# Altium PCB BBB_ADC7_inputs_with_mux_Ver1 Rev1.PcbDoc (part 1 of 2)
Units mm, origin at the board's own origin, x right, y up, seen from the top; angles counter-clockwise.
Board outline 219.96 x 100 mm, 2 copper layers (TopLayer, BottomLayer), stack 1.571 mm thick; 181 components, 118 nets, 709 pads, 266 vias.
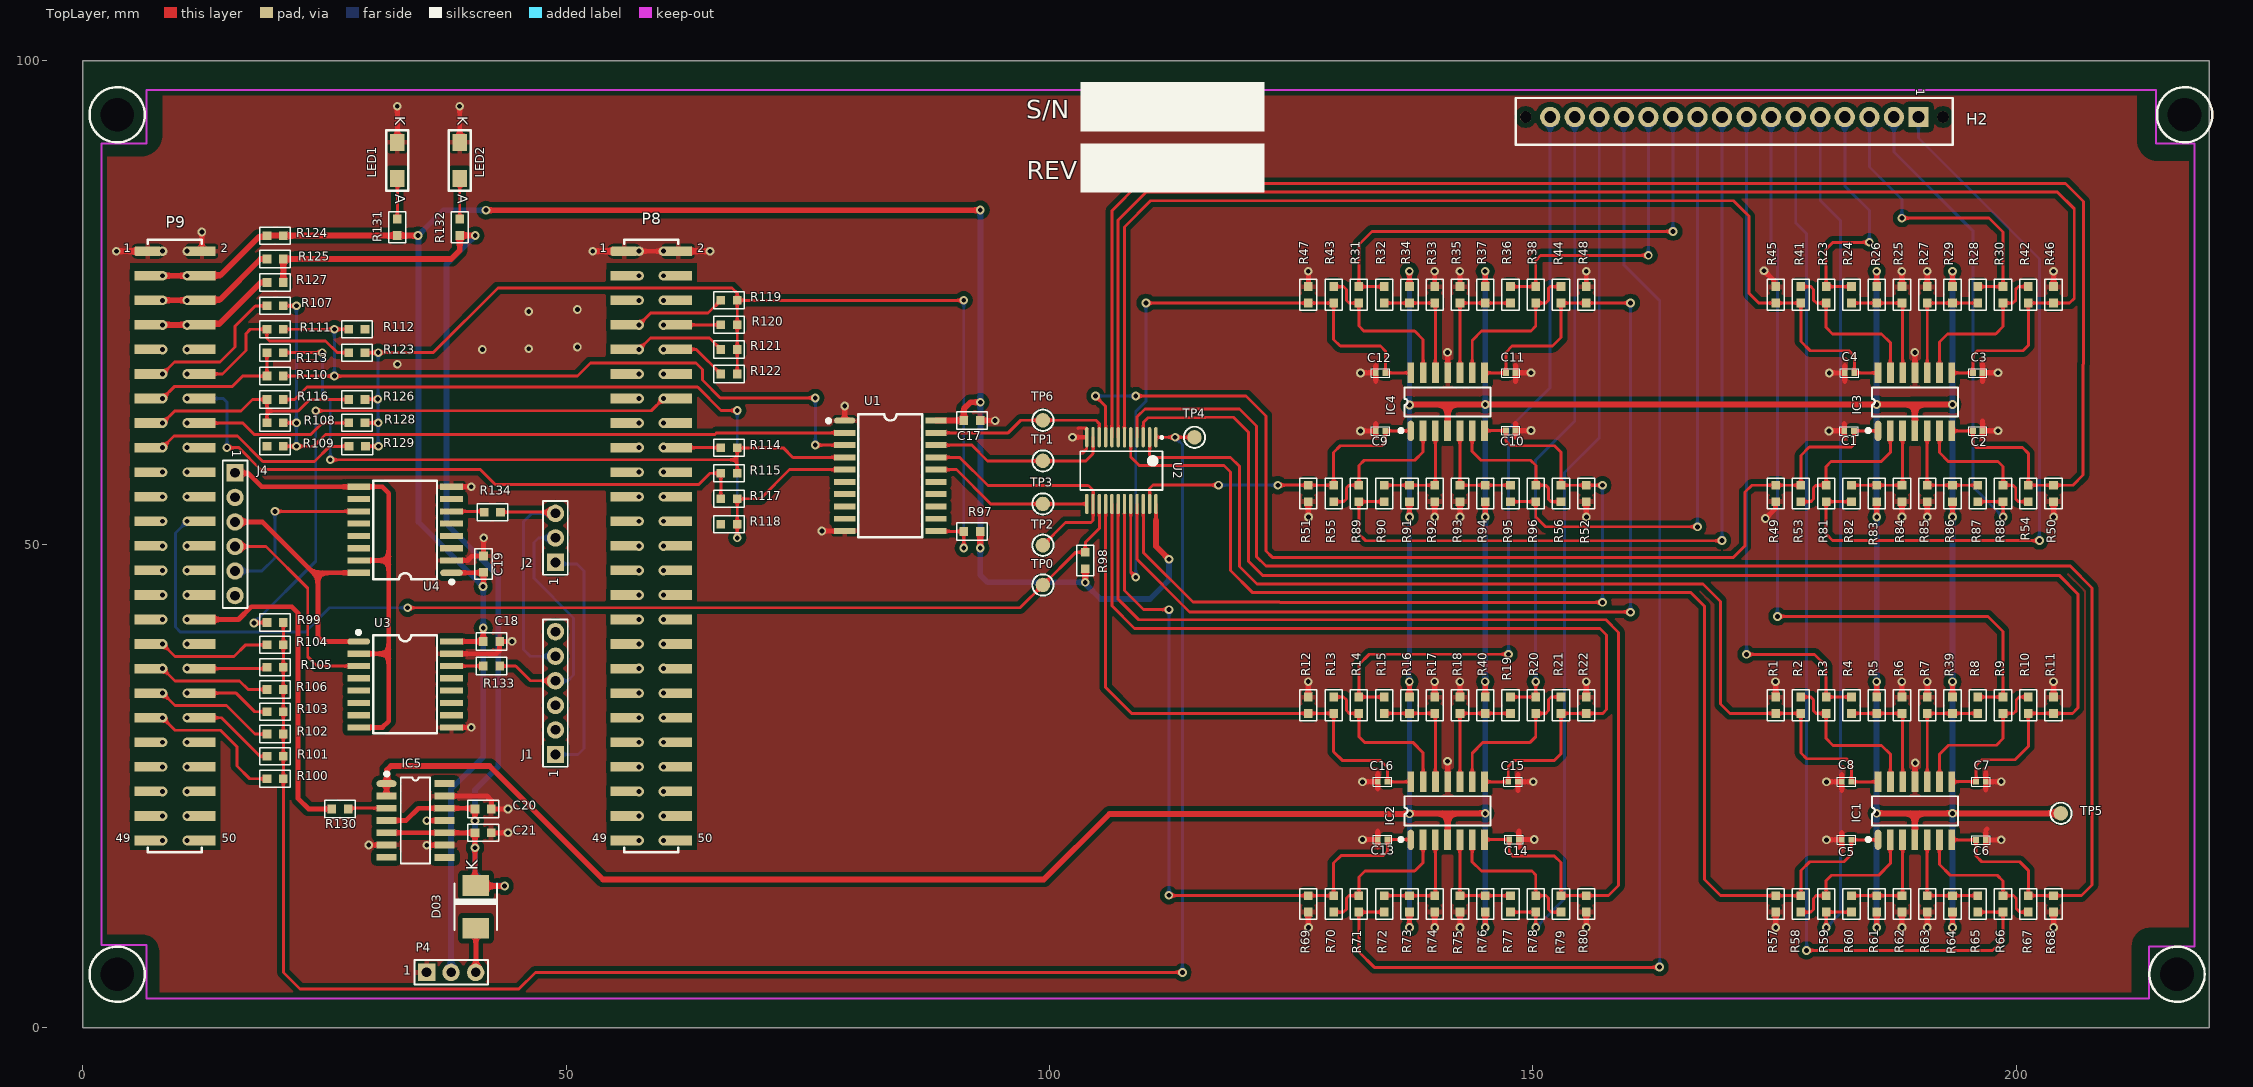
[diagram p0: TopLayer view]
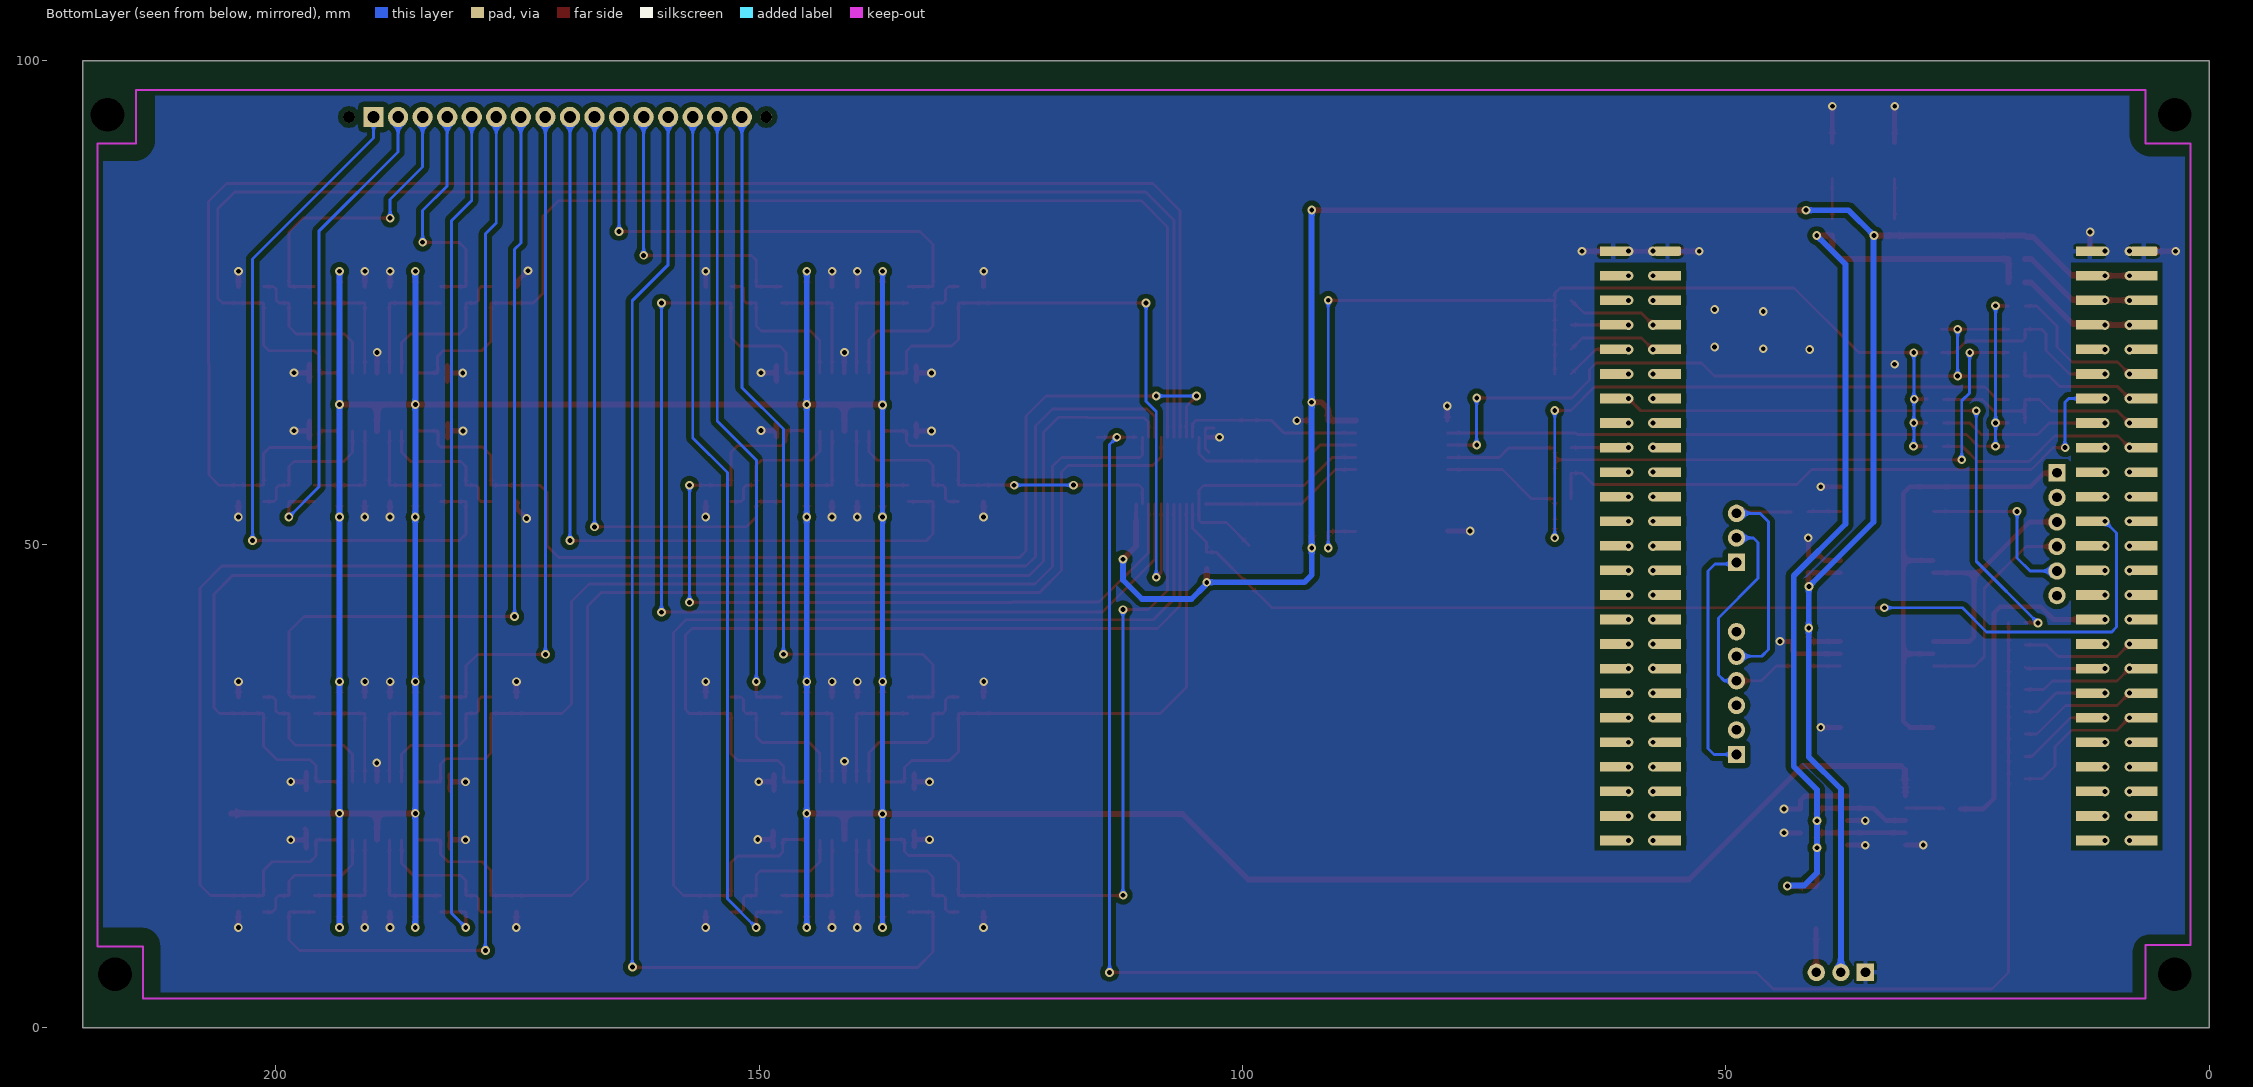
[diagram p1: BottomLayer view, seen from below]

## Layer stack, top to bottom
TopSolder: solder mask 0.0102, Solder Resist, Dk 3.5
TopLayer: signal copper 0.0356
Dielectric1: core 1.5, FR-4, Dk 4.8
BottomLayer: signal copper 0.0356
BottomSolder: solder mask 0.0102, Solder Resist, Dk 3.5

## Board outline
0,0 219.964,0 219.964,100 0,100

## Design rules (kind name [scope] priority, off if disabled: settings)
AssemblyTestPointUsage AssemblyTestPointUsage_1 [All] p2:
AssemblyTestpoint AssemblyTestpoint_1 [All] p2: testpointundercomponent=TRUE minsize=1.016 maxsize=2.54 preferedsize=1.524 minholesize=0 maxholesize=1.016 preferedholesize=0.813 testpointgrid=0.025 usegrid=TRUE gridtolerance=0 allowsidetop=TRUE allowsidebottom=TRUE
Clearance Clearance_1 [All vs InPolygon] p1: gap=0.508 ignorepadtopadclearanceinfootprint=FALSE
Clearance [All] p2: gap=0.254 ignorepadtopadclearanceinfootprint=FALSE
FabricationTestPointUsage TestPointUsage [All] p2: valid=0 allowmultiple=FALSE
FabricationTestpoint Testpoint [All] p2: side=3 testpointundercomponent=TRUE minsize=1.016 maxsize=2.54 preferedsize=1.524 minholesize=0.508 maxholesize=1.016 preferedholesize=0.813 testpointgrid=0.025 allowsidetop=TRUE allowsidebottom=TRUE usegrid=TRUE gridtolerance=0
FanoutControl Fanout_LCC [IsLCC] p1: bgadir=Out bgaviamode=Centered fanoutstyle=Auto fanoutdirection=Alternating viagrid=0.025 // Fanout_LCC (Default Rule)
FanoutControl Fanout_BGA [IsBGA] p2: bgadir=Out bgaviamode=Centered fanoutstyle=Auto fanoutdirection=Alternating viagrid=0.025 // Fanout_BGA (Default Rule)
FanoutControl Fanout_Small [(CompPinCount < 5)] p3: bgadir=Out bgaviamode=Centered fanoutstyle=Auto fanoutdirection=OutThenIn viagrid=0.025 // Fanout_Small (Default Rule)
FanoutControl Fanout_SOIC [IsSOIC] p4: bgadir=Out bgaviamode=Centered fanoutstyle=Auto fanoutdirection=Alternating viagrid=0.025 // Fanout_SOIC (Default Rule)
FanoutControl Fanout_BGA_1 [IsBGA] p6: bgadir=Out bgaviamode=Centered fanoutstyle=Auto fanoutdirection=Alternating viagrid=0.025 // Fanout_BGA (Default Rule)
FanoutControl Fanout_LCC_1 [IsLCC] p7: bgadir=Out bgaviamode=Centered fanoutstyle=Auto fanoutdirection=Alternating viagrid=0.025 // Fanout_LCC (Default Rule)
FanoutControl Fanout_SOIC_1 [IsSOIC] p8: bgadir=Out bgaviamode=Centered fanoutstyle=Auto fanoutdirection=Alternating viagrid=0.025 // Fanout_SOIC (Default Rule)
FanoutControl Fanout_Small_1 [(CompPinCount < 5)] p9: bgadir=Out bgaviamode=Centered fanoutstyle=Auto fanoutdirection=OutThenIn viagrid=0.025 // Fanout_Small (Default Rule)
FanoutControl Fanout_Default_1 [All] p10: bgadir=Out bgaviamode=Centered fanoutstyle=Auto fanoutdirection=Alternating viagrid=0.025 // Fanout_Default (Default Rule)
Height Height_1 [All] p2: minheight=0 maxheight=25.4 prefheight=12.7
HoleSize [All] p1: absolutevalues=TRUE maxlimit=6 minlimit=0.1 maxpercent=80.000 minpercent=20.000
MinimumSolderMaskSliver [All] p1 off: minsoldermaskwidth=0.254
PolygonConnect PolygonConnect_1 [All] p1: thpad.connectstyle=Relief thpad.reliefconductorwidth=0.5 thpad.reliefentries=4 thpad.polygonreliefangle="90 Angle" thpad.airgapwidth=0.254 smdpad.connectstyle=Relief smdpad.reliefconductorwidth=0.5 smdpad.reliefentries=4 smdpad.polygonreliefangle="90 Angle" smdpad.airgapwidth=0.254 via.connectstyle=Direct via.reliefconductorwidth=0.5 via.reliefentries=4 via.polygonreliefangle="90 Angle" via.airgapwidth=0.254
RoutingVias [All] p1: holewidth=0.5 width=0.9 viastyle="Through Hole" minholewidth=0.1 minwidth=0.45 maxholewidth=0.5 maxwidth=0.9
SilkToSilkClearance [All] p1: silktosilkclearance=0.15
SilkToSolderMaskClearance [IsPad] p1 off: minsilkscreentomaskgap=0.254 clearancetoexposedcopper=TRUE
SolderMaskExpansion [All] p1: expansion=0.102
Width [All] p1: maxlimit=5 minlimit=0.15 preferedwidth=0.3
22 further rules are at their usual default settings.

## Components (designator, comment, footprint, x,y, rotation, side; value= is the part's Value field where it differs from the comment)
C1 "CAPACITOR NONPOLAR SMT" C0402 182.718,61.719 r180 top
C2 "CAPACITOR NONPOLAR SMT" C0402 196.025,61.719 r0 top
C3 "CAPACITOR NONPOLAR SMT" C0402 196.025,67.719 r0 top
C4 "CAPACITOR NONPOLAR SMT" C0402 182.756,67.712 r180 top
C5 "CAPACITOR NONPOLAR SMT" C0402 182.456,19.416 r180 top
C6 "CAPACITOR NONPOLAR SMT" C0402 196.356,19.402 r0 top
C7 "CAPACITOR NONPOLAR SMT" C0402 196.356,25.428 r0 top
C8 "CAPACITOR NONPOLAR SMT" C0402 182.456,25.416 r180 top
C9 "CAPACITOR NONPOLAR SMT" C0402 134.256,61.712 r180 top
C10 "CAPACITOR NONPOLAR SMT" C0402 147.714,61.748 r0 top
C11 "CAPACITOR NONPOLAR SMT" C0402 147.714,67.719 r0 top
C12 "CAPACITOR NONPOLAR SMT" C0402 134.256,67.719 r180 top
C13 "CAPACITOR NONPOLAR SMT" C0402 134.462,19.444 r180 top
C14 "CAPACITOR NONPOLAR SMT" C0402 148.056,19.444 r0 top
C15 "CAPACITOR NONPOLAR SMT" C0402 147.956,25.416 r0 top
C16 "CAPACITOR NONPOLAR SMT" C0402 134.462,25.416 r180 top
C17 "4.7uF, 10V" C0603 91.985,62.788 r0 top
C18 "4.7uF, 10V" C0603 42.266,39.929 r0 top
C19 "4.7uF, 10V" C0603 41.456,47.932 r90 top
C20 "100nF" C0603 41.416,22.606 r0 top
C21 "4.7uF / 10V" C0603 41.416,20.137 r0 top
D03 "1.5A, PIV 1KV" DIODE_DO-214AA(SMB) 40.665,12.471 r90 top
H2 "connector 16 pin male_ stright" "16 PIN MALE STRIGHT" 170.84,94.183 r180 top
IC1 "OPamp" SOIC-14 189.522,22.416 r0 top
IC2 "OPamp" SOIC-14 141.186,22.416 r0 top
IC3 "OPamp" SOIC-14 189.522,64.719 r0 top
IC4 "OPamp" SOIC-14 141.186,64.719 r0 top
IC5 "OPamp" SOIC-14 34.417,21.412 r270 top
J1 "Header 6" HDR1X6 48.895,28.245 r90 top
J2 "Header 3" HDR1X3 48.895,48.108 r90 top
J4 "Header 6" HDR1X6 15.748,57.379 r270 top locked
LED1 "LED" "0537, LED, 1206" 32.537,89.687 r270 top
LED2 "LED" "0537, LED, 1206" 38.996,89.687 r270 top
P4 "Header 3" HDR1X3 35.56,5.703 r0 top
P8 "Header 20X2" BBBHEADERNOHOLE 58.801,79.035 r180 top locked
P9 "Header 20X2" BBBHEADERNOHOLE 9.525,79.035 r180 top locked
R1 "Resistor SMD 0603, 100 k Ohm, +/-5%, 1/10W" 0603 175.114,33.338 r90 top
R2 "Resistor SMD 0603, 1.5 k Ohm, +/-5%, 1/10W" 0603 177.728,33.338 r90 top
R3 "Resistor SMD 0603, 9.1 k Ohm, +/-5%, 1/10W" 0603 180.342,33.338 r90 top
R4 "open" 0603 182.956,33.338 r90 top
R5 "Resistor SMD 0603, 6.8 k Ohm, +/-1%, 1/10W" 0603 185.57,33.338 r90 top
R6 "Resistor SMD 0603, 4.7 k Ohm, +/-5%, 1/10W" 0603 188.183,33.338 r90 top
R7 "Resistor SMD 0603, 4.7 k Ohm, +/-5%, 1/10W" 0603 190.797,33.338 r90 top
R8 "open" 0603 196.025,33.338 r90 top
R9 "Resistor SMD 0603, 9.1 k Ohm, +/-5%, 1/10W" 0603 198.639,33.338 r270 top
R10 "Resistor SMD 0603, 1.5 k Ohm, +/-5%, 1/10W" 0603 201.253,33.338 r90 top
R11 "Resistor SMD 0603, 100 k Ohm, +/-5%, 1/10W" 0603 203.867,33.338 r90 top
R12 "Resistor SMD 0603, 100 k Ohm, +/-5%, 1/10W" 0603 126.778,33.338 r90 top
R13 "Resistor SMD 0603, 1.5 k Ohm, +/-5%, 1/10W" 0603 129.391,33.338 r90 top
R14 "Resistor SMD 0603, 9.1 k Ohm, +/-5%, 1/10W" 0603 132.005,33.338 r90 top
R15 "open" 0603 134.619,33.338 r90 top
R16 "Resistor SMD 0603, 6.8 k Ohm, +/-1%, 1/10W" 0603 137.233,33.338 r90 top
R17 "Resistor SMD 0603, 4.7 k Ohm, +/-5%, 1/10W" 0603 139.847,33.338 r90 top
R18 "Resistor SMD 0603, 4.7 k Ohm, +/-5%, 1/10W" 0603 142.461,33.338 r90 top
R19 "open" 0603 147.689,33.338 r90 top
R20 "Resistor SMD 0603, 9.1 k Ohm, +/-5%, 1/10W" 0603 150.303,33.338 r270 top
R21 "Resistor SMD 0603, 1.5 k Ohm, +/-5%, 1/10W" 0603 152.916,33.338 r90 top
R22 "Resistor SMD 0603, 100 k Ohm, +/-5%, 1/10W" 0603 155.53,33.338 r90 top
R23 "Resistor SMD 0603, 9.1 k Ohm, +/-5%, 1/10W" 0603 180.342,75.794 r90 top
R24 "OPEN" 0603 182.956,75.794 r90 top
R25 "Resistor SMD 0603, 4.7 k Ohm, +/-5%, 1/10W" 0603 188.183,75.794 r90 top
R26 "Resistor SMD 0603, 6.8 k Ohm, +/-1%, 1/10W" 0603 185.57,75.794 r90 top
R27 "Resistor SMD 0603, 4.7 k Ohm, +/-5%, 1/10W" 0603 190.797,75.794 r90 top
R28 "OPEN" 0603 196.025,75.794 r90 top
R29 "Resistor SMD 0603, 6.8 k Ohm, +/-1%, 1/10W" 0603 193.411,75.794 r90 top
R30 "Resistor SMD 0603, 9.1 k Ohm, +/-5%, 1/10W" 0603 198.639,75.794 r270 top
R31 "Resistor SMD 0603, 9.1 k Ohm, +/-5%, 1/10W" 0603 132.005,75.794 r90 top
R32 "OPEN" 0603 134.619,75.794 r90 top
R33 "Resistor SMD 0603, 4.7 k Ohm, +/-5%, 1/10W" 0603 139.847,75.794 r90 top
R34 "Resistor SMD 0603, 6.8 k Ohm, +/-1%, 1/10W" 0603 137.233,75.794 r90 top
R35 "Resistor SMD 0603, 4.7 k Ohm, +/-5%, 1/10W" 0603 142.461,75.794 r90 top
R36 "OPEN" 0603 147.689,75.794 r90 top
R37 "Resistor SMD 0603, 6.8 k Ohm, +/-1%, 1/10W" 0603 145.075,75.794 r90 top
R38 "Resistor SMD 0603, 9.1 k Ohm, +/-5%, 1/10W" 0603 150.303,75.794 r270 top
R39 "Resistor SMD 0603, 6.8 k Ohm, +/-1%, 1/10W" 0603 193.411,33.338 r90 top
R40 "Resistor SMD 0603, 6.8 k Ohm, +/-1%, 1/10W" 0603 145.075,33.338 r90 top
R41 "Resistor SMD 0603, 1.5 k Ohm, +/-5%, 1/10W" 0603 177.728,75.794 r90 top
R42 "Resistor SMD 0603, 1.5 k Ohm, +/-5%, 1/10W" 0603 201.253,75.794 r270 top
R43 "Resistor SMD 0603, 1.5 k Ohm, +/-5%, 1/10W" 0603 129.391,75.794 r90 top
R44 "Resistor SMD 0603, 1.5 k Ohm, +/-5%, 1/10W" 0603 152.916,75.794 r270 top
R45 "Resistor SMD 0603, 100 k Ohm, +/-5%, 1/10W" 0603 175.114,75.794 r90 top
R46 "Resistor SMD 0603, 100 k Ohm, +/-5%, 1/10W" 0603 203.867,75.794 r90 top
R47 "Resistor SMD 0603, 100 k Ohm, +/-5%, 1/10W" 0603 126.778,75.794 r90 top
R48 "Resistor SMD 0603, 100 k Ohm, +/-5%, 1/10W" 0603 155.53,75.794 r90 top
R49 "Resistor SMD 0603, 100 k Ohm, +/-5%, 1/10W" 0603 175.114,55.245 r270 top
R50 "Resistor SMD 0603, 100 k Ohm, +/-5%, 1/10W" 0603 203.867,55.245 r270 top
R51 "Resistor SMD 0603, 100 k Ohm, +/-5%, 1/10W" 0603 126.778,55.245 r270 top
R52 "Resistor SMD 0603, 100 k Ohm, +/-5%, 1/10W" 0603 155.53,55.245 r270 top
R53 "Resistor SMD 0603, 1.5 k Ohm, +/-5%, 1/10W" 0603 177.728,55.245 r270 top
R54 "Resistor SMD 0603, 1.5 k Ohm, +/-5%, 1/10W" 0603 201.253,55.245 r90 top
R55 "Resistor SMD 0603, 1.5 k Ohm, +/-5%, 1/10W" 0603 129.391,55.245 r270 top
R56 "Resistor SMD 0603, 1.5 k Ohm, +/-5%, 1/10W" 0603 152.916,55.245 r90 top
R57 "Resistor SMD 0603, 100 k Ohm, +/-5%, 1/10W" 0603 175.114,12.789 r90 top
R58 "Resistor SMD 0603, 1.5 k Ohm, +/-5%, 1/10W" 0603 177.728,12.789 r90 top
R59 "Resistor SMD 0603, 9.1 k Ohm, +/-5%, 1/10W" 0603 180.342,12.789 r90 top
R60 "open" 0603 182.956,12.789 r90 top
R61 "Resistor SMD 0603, 6.8 k Ohm, +/-1%, 1/10W" 0603 185.57,12.789 r90 top
R62 "Resistor SMD 0603, 4.7 k Ohm, +/-5%, 1/10W" 0603 188.183,12.789 r90 top
R63 "Resistor SMD 0603, 4.7 k Ohm, +/-5%, 1/10W" 0603 190.797,12.789 r90 top
R64 "Resistor SMD 0603, 6.8 k Ohm, +/-1%, 1/10W" 0603 193.411,12.789 r90 top
R65 "open" 0603 196.025,12.789 r90 top
R66 "Resistor SMD 0603, 9.1 k Ohm, +/-5%, 1/10W" 0603 198.639,12.789 r90 top
R67 "Resistor SMD 0603, 1.5 k Ohm, +/-5%, 1/10W" 0603 201.253,12.789 r270 top
R68 "Resistor SMD 0603, 100 k Ohm, +/-5%, 1/10W" 0603 203.867,12.789 r270 top
R69 "Resistor SMD 0603, 100 k Ohm, +/-5%, 1/10W" 0603 126.778,12.789 r90 top
R70 "Resistor SMD 0603, 1.5 k Ohm, +/-5%, 1/10W" 0603 129.391,12.789 r90 top
R71 "Resistor SMD 0603, 9.1 k Ohm, +/-5%, 1/10W" 0603 132.005,12.789 r90 top
R72 "open" 0603 134.619,12.789 r90 top
R73 "Resistor SMD 0603, 6.8 k Ohm, +/-1%, 1/10W" 0603 137.233,12.789 r90 top
R74 "Resistor SMD 0603, 4.7 k Ohm, +/-5%, 1/10W" 0603 139.847,12.789 r90 top
R75 "Resistor SMD 0603, 4.7 k Ohm, +/-5%, 1/10W" 0603 142.461,12.789 r90 top
R76 "Resistor SMD 0603, 6.8 k Ohm, +/-1%, 1/10W" 0603 145.075,12.789 r90 top
R77 "open" 0603 147.689,12.789 r90 top
R78 "Resistor SMD 0603, 9.1 k Ohm, +/-5%, 1/10W" 0603 150.303,12.789 r90 top
R79 "Resistor SMD 0603, 1.5 k Ohm, +/-5%, 1/10W" 0603 152.916,12.789 r270 top
R80 "Resistor SMD 0603, 100 k Ohm, +/-5%, 1/10W" 0603 155.53,12.789 r270 top
R81 "Resistor SMD 0603, 9.1 k Ohm, +/-5%, 1/10W" 0603 180.342,55.245 r90 top
R82 "OPEN" 0603 182.956,55.245 r90 top
R83 "Resistor SMD 0603, 6.8 k Ohm, +/-1%, 1/10W" 0603 185.57,55.245 r90 top
R84 "Resistor SMD 0603, 4.7 k Ohm, +/-5%, 1/10W" 0603 188.183,55.245 r90 top
R85 "Resistor SMD 0603, 4.7 k Ohm, +/-5%, 1/10W" 0603 190.797,55.245 r90 top
R86 "Resistor SMD 0603, 6.8 k Ohm, +/-1%, 1/10W" 0603 193.411,55.245 r90 top
R87 "OPEN" 0603 196.025,55.245 r90 top
R88 "Resistor SMD 0603, 9.1 k Ohm, +/-5%, 1/10W" 0603 198.639,55.245 r90 top
R89 "Resistor SMD 0603, 9.1 k Ohm, +/-5%, 1/10W" 0603 132.005,55.245 r90 top
R90 "OPEN" 0603 134.619,55.245 r90 top
R91 "Resistor SMD 0603, 6.8 k Ohm, +/-1%, 1/10W" 0603 137.233,55.245 r90 top
R92 "Resistor SMD 0603, 4.7 k Ohm, +/-5%, 1/10W" 0603 139.847,55.245 r90 top
R93 "Resistor SMD 0603, 4.7 k Ohm, +/-5%, 1/10W" 0603 142.461,55.245 r90 top
R94 "Resistor SMD 0603, 6.8 k Ohm, +/-1%, 1/10W" 0603 145.075,55.245 r90 top
R95 "OPEN" 0603 147.689,55.245 r90 top
R96 "Resistor SMD 0603, 9.1 k Ohm, +/-5%, 1/10W" 0603 150.303,55.245 r90 top
R97 "" 0603 91.985,51.317 r0 top
R98 "1Kohm" 0603 103.705,48.314 r270 top
R99 "1Kohm" 0603 19.896,41.894 r0 top
R100 "1Kohm" 0603 19.896,25.736 r0 top
R101 "1Kohm" 0603 19.896,28.045 r0 top
R102 "1Kohm" 0603 19.896,30.353 r0 top
R103 "1Kohm" 0603 19.896,32.661 r0 top
R104 "1Kohm" 0603 19.896,39.586 r0 top
R105 "1Kohm" 0603 19.896,37.277 r0 top
R106 "1Kohm" 0603 19.896,34.969 r0 top
R107 "" 0603 19.896,74.651 r0 top
R108 "" 0603 19.896,62.543 r0 top
R109 "" 0603 19.896,60.122 r0 top
R110 "" 0603 19.896,67.386 r0 top
R111 "" 0603 19.896,72.229 r0 top
R112 "" 0603 28.35,72.229 r180 top
R113 "" 0603 19.896,69.808 r0 top
R114 "" 0603 66.853,59.965 r0 top
R115 "" 0603 66.853,57.333 r0 top
R116 "" 0603 19.896,64.965 r0 top
R117 "" 0603 66.853,54.702 r0 top
R118 "" 0603 66.853,52.07 r0 top
R119 "1Kohm" 0603 66.853,75.225 r180 top
R120 "1Kohm" 0603 66.853,72.685 r180 top
R121 "1Kohm" 0603 66.853,70.145 r180 top
R122 "1Kohm" 0603 66.853,67.605 r180 top
R123 "1Kohm" 0603 28.35,69.808 r180 top
R124 "Resistor SMD 0603, 0 Ohm, +/-5%, 1/10W" 0603 19.896,81.915 r0 top
R125 "Resistor SMD 0603, 0 Ohm, +/-5%, 1/10W" 0603 19.896,79.494 r180 top
R126 "1Kohm" 0603 28.35,64.965 r180 top
R127 "Resistor SMD 0603, 0 Ohm, +/-5%, 1/10W" 0603 19.896,77.072 r180 top
R128 "1Kohm" 0603 28.35,62.543 r180 top
R129 "1Kohm" 0603 28.386,60.122 r180 top
R130 "Resistor SMD 0603, 0 Ohm, +/-5%, 1/10W" 0603 26.594,22.606 r0 top
R131 "Resistor SMD 0603, 4.7 k Ohm, +/-5%, 1/10W" 0603 32.537,82.779 r270 top
R132 "Resistor SMD 0603, 4.7 k Ohm, +/-5%, 1/10W" 0603 38.996,82.779 r270 top
R133 "Resistor SMD 0603, 0 Ohm, +/-5%, 1/10W" 0603 42.266,37.389 r0 top
R134 "Resistor SMD 0603, 0 Ohm, +/-5%, 1/10W" 0603 42.367,53.315 r0 top
TP0 "TEST PAD" TP 99.316,45.775 r0 top
TP1 "TEST PAD" TP 99.316,58.609 r0 top
TP2 "TEST PAD" TP 99.316,49.887 r0 top
TP3 "TEST PAD" TP 99.316,54.159 r0 top
TP4 "TEST PAD" TP 114.998,61.046 r0 top
TP5 "TEST PAD" TP 204.625,22.15 r180 top
TP6 "TEST PAD" TP 99.316,62.816 r0 top
U1 "74ACT573SJ" SOL-20 83.538,57.073 r0 top
U2 "4067" SSOP-24 107.43,57.609 r270 top
U3 "ISO7640" SOIC-16 33.339,35.484 r270 top
U4 "ISO7640" SOIC-16 33.339,51.486 r90 top

## Footprints (in the part's own frame and the unit in brackets; to place one, negate y for a bottom-side part, rotate by r counter-clockwise, add the part's x,y. Pads: shape width x height; smd on the part's side, far side on the other; paste and mask are expansions set on the pad)
"16 PIN MALE STRIGHT" [mm]
  round 1.2 hole 1.2 unplated: 0(-21.59,0) 0(21.59,0)
  rect 2.1x2.1 hole 1.2: 1(-19.05,0)
  round 2.1 hole 1.2: 2(-16.51,0) 3(-13.97,0) 4(-11.43,0) 5(-8.89,0) 6(-6.35,0) 7(-3.81,0) 8(-1.27,0) 9(1.27,0) 10(3.81,0) 11(6.35,0) 12(8.89,0) 13(11.43,0) 14(13.97,0) 15(16.51,0) 16(19.05,0)
  silkscreen extent -22.61,-1.97 22.61,2.88, body extent -22.58,-1.96 22.65,2.89, height 7.1
"0537, LED, 1206" [mm]
  rect 1.75x1.5 smd: A(1.875,0) K(-1.875,0)
  silkscreen extent -3.11,-1.14 3.14,1.12, body extent -1.6,-0.8 1.6,0.8, height 1.52
0603 [mm]
  rect 0.9x0.9 smd: 1(-0.85,0) 2(0.85,0)
  silkscreen extent -1.59,-0.89 1.59,0.89, body extent -0.85,-0.4 0.85,0.4, height 0.56
BBBHEADERNOHOLE [mm]
  rrect50% 2.8x1 smd far side: 1(2.77,-1.27)
  rrect50% 2.8x1 smd: 1(2.8,-1.27)
  rect 2.8x1 smd far side: 2(-2.83,-1.27) 3(2.77,1.27) 4(-2.83,1.27) 5(2.77,3.81) 6(-2.83,3.81) 7(2.77,6.35) 8(-2.83,6.35) 9(2.77,8.89) 10(-2.83,8.89) 11(2.77,11.43) 12(-2.83,11.43) 13(2.77,13.97) 14(-2.83,13.97) 15(2.77,16.51) 16(-2.83,16.51) 17(2.77,19.05) 18(-2.83,19.05) 19(2.77,21.59) 20(-2.83,21.59) 21(2.77,24.13) 22(-2.83,24.13) 23(2.77,26.67) 24(-2.83,26.67) 25(2.77,29.21) 26(-2.83,29.21) 27(2.77,31.75) 28(-2.83,31.75) 29(2.77,34.29) 30(-2.83,34.29) 31(2.77,36.83) 32(-2.83,36.83) 33(2.77,39.37) 34(-2.83,39.37) 35(2.77,41.91) 36(-2.83,41.91) 37(2.77,44.45) 38(-2.83,44.45) 39(2.77,46.99) 40(-2.83,46.99) 41(2.77,49.53) 42(-2.83,49.53) 43(2.77,52.07) 44(-2.83,52.07) 45(2.77,54.61) 46(-2.83,54.61) 47(2.77,57.15) 48(-2.83,57.15) 49(2.77,59.69) 50(-2.83,59.69)
  rect 2.8x1 smd: 2(-2.8,-1.27) 3(2.8,1.27) 4(-2.8,1.27) 5(2.8,3.81) 6(-2.8,3.81) 7(2.8,6.35) 8(-2.8,6.35) 9(2.8,8.89) 10(-2.8,8.89) 11(2.8,11.43) 12(-2.8,11.43) 13(2.8,13.97) 14(-2.8,13.97) 15(2.8,16.51) 16(-2.8,16.51) 17(2.8,19.05) 18(-2.8,19.05) 19(2.8,21.59) 20(-2.8,21.59) 21(2.8,24.13) 22(-2.8,24.13) 23(2.8,26.67) 24(-2.8,26.67) 25(2.8,29.21) 26(-2.8,29.21) 27(2.8,31.75) 28(-2.8,31.75) 29(2.8,34.29) 30(-2.8,34.29) 31(2.8,36.83) 32(-2.8,36.83) 33(2.8,39.37) 34(-2.8,39.37) 35(2.8,41.91) 36(-2.8,41.91) 37(2.8,44.45) 38(-2.8,44.45) 39(2.8,46.99) 40(-2.8,46.99) 41(2.8,49.53) 42(-2.8,49.53) 43(2.8,52.07) 44(-2.8,52.07) 45(2.8,54.61) 46(-2.8,54.61) 47(2.8,57.15) 48(-2.8,57.15) 49(2.8,59.69) 50(-2.8,59.69)
  silkscreen extent -2.79,-2.46 2.81,60.88
C0402 [mm] "C0402"
  rect 0.6x0.6 smd: 1(-0.5,0) 2(0.5,0)
  silkscreen extent -0.95,-0.45 0.95,0.45, body extent -0.51,-0.25 0.51,0.25, height 0.51
C0603 [mm]
  rect 0.9x0.9 smd: 1(-0.85,0) 2(0.85,0)
  silkscreen extent -1.59,-0.89 1.59,0.89, body extent -0.8,-0.4 0.8,0.4, height 0.3
DIODE_DO-214AA(SMB) [mm]
  rect 2.159x2.743 smd: 1(-2.21,0) 2(2.21,0)
  silkscreen extent -2.41,-2.2 2.42,2.2, body extent -2.75,-1.95 2.75,1.95, height 2.45
HDR1X3 [mm]
  rect 1.8x1.8 hole 1: 1(0,0)
  round 1.8 hole 1: 2(2.54,0) 3(5.08,0)
  silkscreen extent -1.27,-1.27 6.35,1.27, body extent -1.24,-1.22 6.38,1.32, height 9.07
HDR1X6 [mm] "Connector; Header; 6 Position"
  rect 1.8x1.8 hole 1: 1(0,0)
  round 1.8 hole 1: 2(2.54,0) 3(5.08,0) 4(7.62,0) 5(10.16,0) 6(12.7,0)
  silkscreen extent -1.27,-1.27 13.97,1.27, body extent -1.27,-1.27 13.97,1.27, height 9.07
SOIC-14 [mm]
  oval 0.7x2.1 smd: 1(-3.815,-3)
  rect 0.7x2.1 smd: 2(-2.545,-3) 3(-1.275,-3) 4(-0.005,-3) 5(1.265,-3) 6(2.535,-3) 7(3.805,-3) 8(3.815,3) 9(2.545,3) 10(1.275,3) 11(0.005,3) 12(-1.265,3) 13(-2.535,3) 14(-3.815,3)
  silkscreen extent -4.95,-3.09 4.44,1.51, body extent -4.35,-3.07 4.35,3.07, height 1.88
SOIC-16 [mm]
  oval 0.64x2.35 smd: 1(-4.445,-4.8)
  rect 0.64x2.35 smd: 2(-3.175,-4.8) 3(-1.905,-4.8) 4(-0.635,-4.8) 5(0.635,-4.8) 6(1.905,-4.8) 7(3.175,-4.8) 8(4.445,-4.8) 9(4.445,4.8) 10(3.175,4.8) 11(1.905,4.8) 12(0.635,4.8) 13(-0.635,4.8) 14(-1.905,4.8) 15(-3.175,4.8) 16(-4.445,4.8)
  silkscreen extent -5.51,-4.94 5.05,3.3, body extent -5.17,-5.15 5.16,5.16, height 2.48
SOL-20 [mm]
  oval 2.2x0.61 smd: 1(-4.726,5.715)
  rect 2.2x0.61 smd: 2(-4.726,4.445) 3(-4.726,3.175) 4(-4.726,1.905) 5(-4.726,0.635) 6(-4.726,-0.635) 7(-4.726,-1.905) 8(-4.726,-3.175) 9(-4.726,-4.445) 10(-4.726,-5.715) 11(4.726,-5.715) 12(4.726,-4.445) 13(4.726,-3.175) 14(4.726,-1.905) 15(4.726,-0.635) 16(4.726,0.635) 17(4.726,1.905) 18(4.726,3.175) 19(4.726,4.445) 20(4.726,5.715)
  silkscreen extent -6.51,-6.35 3.3,6.35
SSOP-24 [mm]
  oval 2.1x0.35 smd: 1(-3.45,3.575) 2(-3.45,2.925) 3(-3.45,2.275) 4(-3.45,1.625) 5(-3.45,0.975) 6(-3.45,0.325) 7(-3.45,-0.325) 8(-3.45,-0.975) 9(-3.45,-1.625) 10(-3.45,-2.275) 11(-3.45,-2.925) 12(-3.45,-3.575) 13(3.45,-3.575) 14(3.45,-2.925) 15(3.45,-2.275) 16(3.45,-1.625) 17(3.45,-0.975) 18(3.45,-0.325) 19(3.45,0.325) 20(3.45,0.975) 21(3.45,1.625) 22(3.45,2.275) 23(3.45,2.925) 24(3.45,3.575)
  silkscreen extent -3.56,-4.25 2,4.31, body extent -2.8,-4.25 2.8,4.25, height 2
TP [mm]
  round 1.5 smd paste-2: 1(0,0)
  silkscreen extent -1.1,-1.1 1.1,1.1

## Part data
C1 C2 C3 C4 C5 C6 C7 C8 C9 C10 C11 C12 C13 C14 C15 C16: library part BCS22A-102, "Capacitor ceramic, SMD 0402, 1 nF, +/-10%, 50 V dc", Capacitance=1, Dielectric=X7R, Mfr Name=YAGEO, Package=0402, Tolerance (%)=+/-10%, Units of Capacitance=nF, Units of Voltage="V dc", Value(Farad)=1n, Voltage Rating=50, Application="Filtering; Coupling & Decoupling", HelpURL=http://dataudr.udp.sml.com/DataSheet/EX0351-121-R39.pdf, LatestRevisionDate=17-Jul-2002, LatestRevisionNote="Re-released for DXP Platform.", Life Cycle=Production, Mounting Type=SMD, PackageReference=C1206, Published=8-Jun-2000, Publisher="Altium Limited", Secure Use Status=Preferred, SMLPARTNO=BCS22A-102, Sub Category=Ceramic
C17 C18 C19 C21: library part BCS129-475, "Capacitor ceramic, SMD 0603, 4.7 uF, +/-10%, 10 V dc", Capacitance=4.7, Dielectric=X5R, Mfr Name=KEMET, Package=0603, Tolerance (%)=+/-10%, Units of Capacitance=uF, Units of Voltage="V dc", Voltage Rating=10, 3D Model="Not Required", Application="Filtering, Coupling & Decoupling", LatestRevisionDate=17-Jul-2002, LatestRevisionNote="Re-released for DXP Platform.", Life Cycle="Pur Qual", Mounting Type=SMD, PackageReference=C1206, Published=8-Jun-2000, Publisher="Altium Limited", Secure Use Status="Authorization Required", SMLPARTNO=BCS129-475, Sub Category=Ceramic
C20: library part BCS129-104, "Capacitor ceramic, SMD 0603, 100 nF, +/-10%, 16 V dc", Capacitance=100, Dielectric=X7R, Mfr Name=KEMET, Package=0603, Tolerance (%)=+/-10%, Units of Capacitance=nF, Units of Voltage="V dc", Value(Farad)=100n, Voltage Rating=16, Application="Filtering; Coupling & Decoupling", LatestRevisionDate=17-Jul-2002, LatestRevisionNote="Re-released for DXP Platform.", Life Cycle=Production, Mounting Type=SMD, PackageReference=C1206, Published=8-Jun-2000, Publisher="Altium Limited", SMLPARTNO=BCS129-104, Sub Category=Ceramic
D03: library part BDS334-001, "Diode high voltage, SMD DO-214AA, If 1.5 A, PIV 1 kV", Average Forward Current=1.5, Mfr Name=VISHAY, Package=DO-214AA, PackageDocument=Sep-1996, Peak Inverse Voltage=1, Units of Current=A, Units of Voltage=kV, Code_JEDEC=DO-214-AB, HelpURL=http://dataudr.udp.sml.com/DataSheet/EX0551-218-R00.pdf, LatestRevisionDate=17-Jul-2002, LatestRevisionNote="Re-released for DXP Platform.", Life Cycle=Production, Mounting Type=SMD, PackageReference=SMC, Published=8-Jun-2000, Publisher="Altium Limited", Secure Use Status="Authorization Required", SMLPARTNO=BDS334-001, Sub Category="High Voltage"
IC1 IC2 IC3 IC4: SMLPARTNO=BIS114-020
IC5: SMLPPARTNO=BIS114-020
J1 J4: "Header, 6-Pin", LatestRevisionDate=17-Jul-2002, LatestRevisionNote="Re-released for DXP Platform.", Publisher="Altium Limited"
J2 P4: "Header, 3-Pin", LatestRevisionDate=17-Jul-2002, LatestRevisionNote="Re-released for DXP Platform.", Publisher="Altium Limited"
LED1 LED2: library part BDS461-001, "Optoelectronic LED, SMD 1206, red colour", LED Colour=Red, Mfr Name="AVAGO TECHNOLOGIES", Package=1206, LatestRevisionDate=08-Jul-2005, LatestRevisionNote="Mech Layer 1 removed.", Life Cycle=Production, Mounting Type=SMD, PackageReference=LED-0, Published=8-Jun-2000, Publisher="Altium Limited", SMLPARTNO=BDS461-001, Sub Category=LED
P8 P9: "Header, 20-Pin, Dual row", LatestRevisionDate=17-Jul-2002, LatestRevisionNote="Re-released for DXP Platform.", Publisher="Altium Limited"
R1 R11 R12 R22 R45 R46 R47 R48 R49 R50 R51 R52 R57 R68 R69 R80: library part BRS133-473, Mfr Name=VISHAY, Package=0603, Power Rating=1/10W, SMLPARTNO=BRS131-104, Tempco1=0.0002, Tolerance=+/-5%, Unit Of Resistance="k Ohm", Value(ohm)=100, Life Cycle=Obsolete, Mounting Type=SMD, Sub Category="Thick Film"
R2 R13 R41 R42 R43 R44 R53 R54 R55 R56 R58 R67 R70 R79: library part BRS133-473, Mfr Name=VISHAY, Package=0603, Power Rating=1/10W, SMLPARTNO=BRS131-152, Tempco1=0.0002, Tolerance=+/-5%, Unit Of Resistance="k Ohm", Value(ohm)=1.5, Life Cycle=Obsolete, Mounting Type=SMD, Sub Category="Thick Film"
R3 R9 R14 R20 R30 R38 R66 R78 R81 R88 R89 R96: library part BRS133-473, Mfr Name=VISHAY, Package=0603, Power Rating=1/10W, SMLPARTNO=BRS131-912, Tempco1=0.0002, Tolerance=+/-5%, Unit Of Resistance="k Ohm", Value(ohm)=9.1, Life Cycle=Obsolete, Mounting Type=SMD, Sub Category="Thick Film"
R4 R8 R15 R19 R24 R28 R32 R36 R60 R72 R82 R87 R90 R95: library part BRS133-473, Mfr Name=VISHAY, Package=0603, Power Rating=1/10W, Tempco1=0.0002, Tolerance=+/-5%, Life Cycle=Obsolete, Mounting Type=SMD, Sub Category="Thick Film"
R5 R16 R26 R34 R39 R40 R61 R64 R73 R76 R86 R94: library part BRS133-473, Mfr Name=VISHAY, Package=0603, Power Rating=1/10W, SMLPARTNO=BRS131-682, Tempco1=0.0002, Tolerance=+/-5%, Unit Of Resistance="k Ohm", Value(ohm)=6.5, Life Cycle=Obsolete, Mounting Type=SMD, Sub Category="Thick Film"
R6 R7 R17 R18 R25 R27 R33 R35 R62 R63 R74 R75 R84 R85 R92 R93: library part BRS133-473, Mfr Name=VISHAY, Package=0603, Power Rating=1/10W, SMLPARTNO=BRS133-472, Tempco1=0.0002, Tolerance=+/-5%, Unit Of Resistance="k Ohm", Value(ohm)=4.7, Life Cycle=Obsolete, Mounting Type=SMD, Sub Category="Thick Film"
R10 R21: library part BRS133-473, Mfr Name=VISHAY, Package=0603, Power Rating=1/10W, Resistance=47, SMLPARTNO=BRS131-152, Tempco1=0.0002, Tolerance=+/-5%, Unit Of Resistance="k Ohm", Value(ohm)=1.5, Life Cycle=Obsolete, Mounting Type=SMD, Sub Category="Thick Film"
R23 R31: library part BRS133-473, Mfr Name=VISHAY, Package=0603, Power Rating=1/10W, Resistance=47, SMLPARTNO=BRS131-912, Tempco1=0.0002, Tolerance=+/-5%, Unit Of Resistance="k Ohm", Value(ohm)=9.1, Life Cycle=Obsolete, Mounting Type=SMD, Sub Category="Thick Film"
R29 R37 R83 R91: library part BRS133-473, Mfr Name=VISHAY, Package=0603, Power Rating=1/10W, Resistance=47, SMLPARTNO=BRS131-682, Tempco1=0.0002, Tolerance=+/-5%, Unit Of Resistance="k Ohm", Value(ohm)=6.5, Life Cycle=Obsolete, Mounting Type=SMD, Sub Category="Thick Film"
R59 R71: library part BRS133-473, Mfr Name=VISHAY, Package=0603, Power Rating=1/10W, SMLPARTNO=BRS133-902, Tempco1=0.0002, Tolerance=+/-5%, Unit Of Resistance="k Ohm", Value(ohm)=9.2, Life Cycle=Obsolete, Mounting Type=SMD, Sub Category="Thick Film"
R65 R77: library part BRS133-473, Mfr Name=VISHAY, Package=0603, Power Rating=1/10W, Tempco1=0.0002, Tolerance=+/-5%, Unit Of Resistance="k Ohm", Life Cycle=Obsolete, Mounting Type=SMD, Sub Category="Thick Film"
R97 R107 R108 R109 R110 R111 R112 R113 R114 R115 R116 R117 R118: library part BRS132-472, "Resistor SMD 0603, 0 Ohm, +/-5%, 1/10W", Mfr Name=YAGEO, Package=0603, Power Rating=1/10W, Resistance=0, SMLPARTNO=BRS132-000, Tempco1=0.0001, Tolerance=+/-5%, Unit Of Resistance="k Ohm", Value(ohm)=4.7k, Life Cycle=Obsolete, Mounting Type=SMD, Sub Category="Thick Film"
R98 R99 R100 R101 R102 R103 R104 R105 R106 R119 R120 R121 R122 R123 R126 R128 R129: library part BRS831-102, "Resistor SMD 0603, 1 k Ohm, +/-1%, 1/10W", Mfr Name=YAGEO, Package=0603, Power Rating=1/10W, Resistance=1, Tempco1=0.00005, Tolerance=+/-1%, Unit Of Resistance="k Ohm", Value(ohm)=1k, Life Cycle=Production, Mounting Type=SMD, SMLPARTNO=BRS831-102, Sub Category="Thin Film"
R124: library part BRS133-473, Mfr Name=VISHAY, Package=0603, Power Rating=1/10W, SMLPARTNO=BRS133-000, Tempco1=0.0002, Tolerance=+/-5%, Value(ohm)=0, Life Cycle=Obsolete, Mounting Type=SMD, Sub Category="Thick Film"
R125 R127 R133 R134: library part BRS133-473, Mfr Name=VISHAY, Package=0603, Power Rating=1/10W, SMLPARTNO=BRS133-000, Tempco1=0.0002, Tolerance=+/-5%, Unit Of Resistance=Ohm, Value(ohm)=0, Life Cycle=Obsolete, Mounting Type=SMD, Sub Category="Thick Film"
R130: library part BRS133-473, Mfr Name=VISHAY, Package=0603, Power Rating=1/10W, Resistance=47, SMLPARTNO=BRS133-000, Tempco1=0.0002, Tolerance=+/-5%, Unit Of Resistance=Ohm, Value(ohm)=0, Life Cycle=Obsolete, Mounting Type=SMD, Sub Category="Thick Film"
R131 R132: library part BRS831-102, Mfr Name=YAGEO, Package=0603, Power Rating=1/10W, SMLPARTNO=BRS133-472, Tempco1=0.00005, Tolerance=+/-1%, Unit Of Resistance="k Ohm", Value(ohm)=4.7, Life Cycle=Production, Mounting Type=SMD, Sub Category="Thin Film"
U1: "Octal Latch with 3-State Output", ComponentLink1Description="Manufacturer Link", ComponentLink1URL=http://www.fairchildsemi.com/, ComponentLink2Description=Datasheet, ComponentLink2URL=http://www.fairchildsemi.com/ds/74%2F74ACT573.pdf, DatasheetVersion=Oct-1999, LatestRevisionDate=13-Apr-2006, LatestRevisionNote="IPC-7351 Footprint Added.", PackageDescription="20-Pin Small Outline Package 1.27 mm Pitch", PackageReference=M20D, PackageVersion=2000, Published=17-Jul-2002, Publisher="Altium Limited"
U2: library part MUX-74HC4067, "MUX-74HC4067"
U3 U4: library part BIS116-038, "IC digital isolator SMD SOIC-16, ISO7640", LED Colour="Not Applicable", Mfr Name="TEXAS INSTRUMENTS", Package=SOIC, 3D Model=Required, Life Cycle=Production, Mounting Type=SMD, SMLPARTNO=BIS116-038, Sub Category="Opto Coupler"

## Free pads (board coordinates)
  round 1.27 hole 3.5: 1(3.556,94.412) 1(216.637,5.512) 1(217.424,94.412) 2(3.556,5.512)

## Via types
v1: diameter 0.9, hole 0.5, TopLayer to BottomLayer, tented both sides, 166 vias
v2: diameter 1.016, hole 0.508, TopLayer to BottomLayer, 100 vias

## Nets (pads, with @x,y where several pads share a name; then routed paths per layer and width w, separated by ;. In a path a pad name is that pad's centre, name@x,y a point inside that pad or via, vN(x,y) a via of type N, cw(c..) or ccw(c..) an arc to the next point about the centre after c; other vN are vias at no path point)
3.3V_PC: J4.3 U3.1 U4.16 | length 26.9
  TopLayer w0.5: J4.3@15.748,52.299 18.576,52.299 23.834,47.041 ; 24.802,47.041 24.318,46.557 ; U3.1@28.539,39.929 24.826,39.929 24.318,40.437 24.318,46.557 ; U4.16@28.539,47.041 23.834,47.041 ; 23.834,47.041 24.318,46.557
+1.8: IC1.4 IC2.4 IC3.4 IC4.4 IC5.1 IC5.2 R5.2 R16.2 R26.2 R29.2 R34.2 R37.2 R39.2 R40.2 R61.1 R64.1 R73.1 R76.1 R83.1 R86.1 R91.1 R94.1 TP5.1 | length 511.1
  TopLayer w0.3: v1(137.225,35.777) v1@137.233,35.769 ; v1(137.225,78.233) v1@137.233,78.225 ; v1@137.233,10.358 v1(137.241,10.35) ; v1@137.233,52.814 v1(137.241,52.806) ; v1(145.067,35.777) v1@145.075,35.769 ; v1(145.067,78.233) v1@145.075,78.225 ; v1@145.075,10.358 v1(145.083,10.35) ; v1@145.075,52.814 v1(145.083,52.806) ; v1(185.561,35.777) v1@185.57,35.769 ; v1(185.561,78.233) v1@185.57,78.225 ; v1@185.57,10.358 v1(185.578,10.35) ; v1@185.57,52.814 v1(185.578,52.806) ; v1(193.403,35.777) v1@193.411,35.769 ; v1(193.403,78.233) v1@193.411,78.225 ; v1@193.411,10.358 v1(193.419,10.35) ; v1@193.411,52.814 v1(193.419,52.806)
  TopLayer w0.5: IC5.2@31.417,23.957 IC5.1@31.417,25.227 ; v1@137.233,10.358 R73.1@137.233,11.939 ; R16.2@137.233,34.188 v1@137.233,35.769 ; v1@137.233,52.814 R91.1@137.233,54.395 ; R34.2@137.233,76.644 v1@137.233,78.225 ; v1@145.075,10.358 R76.1@145.075,11.939 ; R40.2@145.075,34.188 v1@145.075,35.769 ; v1@145.075,52.814 R94.1@145.075,54.395 ; R37.2@145.075,76.644 v1@145.075,78.225 ; v1@185.57,10.358 R61.1@185.57,11.939 ; R5.2@185.57,34.188 v1@185.57,35.769 ; v1@185.57,52.814 R83.1@185.57,54.395 ; R26.2@185.57,76.644 v1@185.57,78.225 ; v1@193.411,10.358 R64.1@193.411,11.939 ; R39.2@193.411,34.188 v1@193.411,35.769 ; v1@193.411,52.814 R86.1@193.411,54.395 ; R29.2@193.411,76.644 v1@193.411,78.225
  TopLayer w0.6: IC5.1@31.417,25.227 31.429,25.227 31.475,25.273 31.475,26.65 31.887,27.062 42.063,27.062 53.814,15.311 99.411,15.311 106.198,22.098 v1(137.241,22.098) 137.293,22.15 140.662,22.15 ; v1(137.241,64.402) 137.293,64.453 140.662,64.453 ; IC2.4@141.181,19.416 141.181,21.631 ; IC4.4@141.181,61.719 141.181,63.934 ; v1(145.083,22.15) 141.7,22.15 ; v1(185.561,22.15) 189.055,22.15 ; IC1.4@189.517,19.416 189.517,21.688 ; IC3.4@189.517,61.719 189.517,63.991 ; v1(193.403,64.453) 189.979,64.453 ; TP5.1@204.625,22.15 v1(193.403,22.15) 189.979,22.15 ; 140.662,22.15 141.7,22.15 ; 140.662,22.15 141.181,21.631 ; 140.662,64.453 141.7,64.453 ; 140.662,64.453 141.181,63.934 ; 141.181,21.631 141.7,22.15 ; 141.181,63.934 141.7,64.453 ; 141.7,64.453 v1(145.083,64.453) v1(185.561,64.453) 189.055,64.453 ; 189.055,22.15 189.979,22.15 ; 189.055,22.15 189.517,21.688 ; 189.055,64.453 189.979,64.453 ; 189.055,64.453 189.517,63.991 ; 189.517,21.688 189.979,22.15 ; 189.517,63.991 189.979,64.453
  BottomLayer w0.5: v1(137.225,78.233) 137.241,78.217 v1(137.241,64.402) v1(137.241,52.806) 137.225,52.789 v1(137.225,35.777) 137.241,35.761 v1(137.241,22.098) v1(137.241,10.35)
  BottomLayer w0.6: v1(145.067,78.233) 145.083,78.217 v1(145.083,64.453) v1(145.083,52.806) 145.067,52.789 v1(145.067,35.777) 145.083,35.761 v1(145.083,22.15) v1(145.083,10.35) ; v1(185.561,78.233) v1(185.561,64.453) 185.561,52.822 v1(185.578,52.806) 185.578,35.794 v1(185.561,35.777) v1(185.561,22.15) 185.561,10.366 v1(185.578,10.35) ; v1(193.403,78.233) v1(193.403,64.453) 193.403,52.822 v1(193.419,52.806) 193.419,35.794 v1(193.403,35.777) v1(193.403,22.15) 193.403,10.366 v1(193.419,10.35)
ADC0: P9.39 R100.1 | length 14.6
  TopLayer w0.3: v2(8.255,32.045) 9.55,30.75 14.232,30.75 15.938,29.044 15.938,27.062 17.264,25.736 R100.1@19.046,25.736
ADC1: P9.40 R101.1 | length 8.4
  TopLayer w0.3: P9.40@12.325,32.045 14.345,32.045 18.346,28.045 R101.1@19.046,28.045
  other v2: 10.795,32.045
ADC2: P9.37 R102.1 | length 12.5
  TopLayer w0.3: v2(8.255,34.585) 9.54,33.3 14.855,33.3 17.802,30.353 R102.1@19.046,30.353
ADC3: P9.38 R103.1 | length 7.5
  TopLayer w0.3: P9.38@12.325,34.585 15.865,34.585 17.789,32.661 R103.1@19.046,32.661
  other v2: 10.795,34.585
ADC4: P9.33 R104.1 | length 11.8
  TopLayer w0.3: v2(8.255,39.665) 9.545,38.375 15.65,38.375 16.861,39.586 R104.1@19.046,39.586
ADC5: P9.36 R105.1 | length 6.8
  TopLayer w0.3: P9.36@12.325,37.125 18.894,37.125 R105.1@19.046,37.277
  other v2: 10.795,37.125
ADC6: P9.35 R106.1 | length 11.7
  TopLayer w0.3: v2(8.255,37.125) 9.53,35.85 16.224,35.85 17.105,34.969 R106.1@19.046,34.969
BBB3V: C17.1 C18.1 C19.1 P4.2 P9.3 P9.4 R97.2 R98.2 R124.1 R124.2 R131.2 U1.20 U2.24 U3.16 U4.1 | length 255.7
  TopLayer w0.35: 111.005,52.455 U2.24@111.005,54.159
  TopLayer w0.5: U3.16@38.139,39.929 C18.1@41.416,39.929 v1(41.416,41.325) ; U4.1@38.139,47.041 C19.1@41.456,47.041 ; v1(41.402,45.624) 41.456,45.679 C19.1@41.456,47.041 ; C19.1@41.456,47.082 C19.1@41.456,47.041 ; C19.1@41.515,47.041 C19.1@41.456,47.041
  TopLayer w0.6: P9.3@6.725,77.765 v2(8.255,77.765) v2(10.795,77.765) P9.4@12.325,77.765 12.375,77.815 14.248,77.815 18.211,81.778 18.909,81.778 R124.1@19.046,81.915 R124.2@20.746,81.915 34.665,81.915 v1(34.675,81.925) ; v1(41.7,84.55) 92.822,84.55 v1(92.836,84.565) ; U1.20@88.264,62.788 C17.1@91.135,62.788 91.135,63.995 91.815,64.675 v1(92.85,64.675) ; v1(92.835,49.6) R97.2@92.835,51.317 ; v1(103.7,46.05) 103.705,46.055 R98.2@103.705,47.464 ; 111.005,52.455 111.005,49.79 v1(112.364,48.431)
  BottomLayer w0.6: P4.2@38.1,5.703 38.1,24.675 41.416,27.991 v1(41.416,41.325) 41.416,45.61 v1(41.402,45.624) 34.725,52.3 34.725,81.875 v1(34.675,81.925) 37.3,84.55 v1(41.7,84.55) ; v1@92.85,84.565 v1(92.85,64.675) 92.85,49.615 v1(92.835,49.6) 92.835,46.806 93.591,46.05 v1(103.7,46.05) 103.7,45.969 103.85,45.819 103.85,45.75 105.275,44.325 110.388,44.325 112.364,46.3 v1(112.364,48.431)
BBB5V: P9.7 P9.8 R127.2 | length 14.1
  TopLayer w0.6: P9.7@6.725,72.685 v2(8.255,72.685) v2(10.795,72.685) P9.8@12.325,72.685 12.453,72.814 14.157,72.814 18.416,77.072 R127.2@19.046,77.072
BBB_5V: C20.1 C21.1 D03.2 IC5.4 IC5.5 IC5.10 IC5.12 R125.1 R127.1 R132.2 | length 126.8
  TopLayer w0.5: IC5.5@31.417,20.147 37.407,20.147 IC5.10@37.417,20.137 C21.1@40.566,20.137 40.566,18.588 40.566,14.781 D03.2@40.665,14.681 ; IC5.4@31.417,21.417 33.467,21.417 34.727,22.677 IC5.12@37.417,22.677 40.494,22.677 C20.1@40.566,22.606 v1@40.566,21.392
  TopLayer w0.6: R127.1@20.746,77.072 R125.1@20.746,79.494 38.119,79.494 38.996,80.371 R132.2@38.996,81.929 40.596,81.929 v1(40.6,81.925) ; D03.2@40.665,14.681 40.709,14.638 v1(43.638,14.638)
  BottomLayer w0.6: v1(40.6,81.925) 37.625,78.95 37.625,52.075 42.975,46.725 42.975,27 40.564,24.589 v1(40.564,21.392) 40.564,18.595 v1(40.571,18.588) 40.571,16.004 41.896,14.679 43.596,14.679 v1(43.638,14.638)
BBB_5V_2A: P9.5 P9.6 R125.2 | length 12.6
  TopLayer w0.6: P9.5@6.725,75.225 v2(8.255,75.225) v2(10.795,75.225) ; P9.6@12.325,75.225 12.382,75.282 14.182,75.282 18.394,79.494 R125.2@19.046,79.494